# Altium PCB as_x31.PcbDoc (part 6 of 6)
Units mm, origin at the board's own origin, x right, y up, seen from the top; angles counter-clockwise.
Board outline 130 x 100 mm, 6 copper layers (Top Layer, Ground_1, int_1, int_2, Power, Bottom Layer), stack 1.49 mm thick; 421 components, 378 nets, 2561 pads, 1344 vias.
Unrouted connection lines stored in the file: 3.
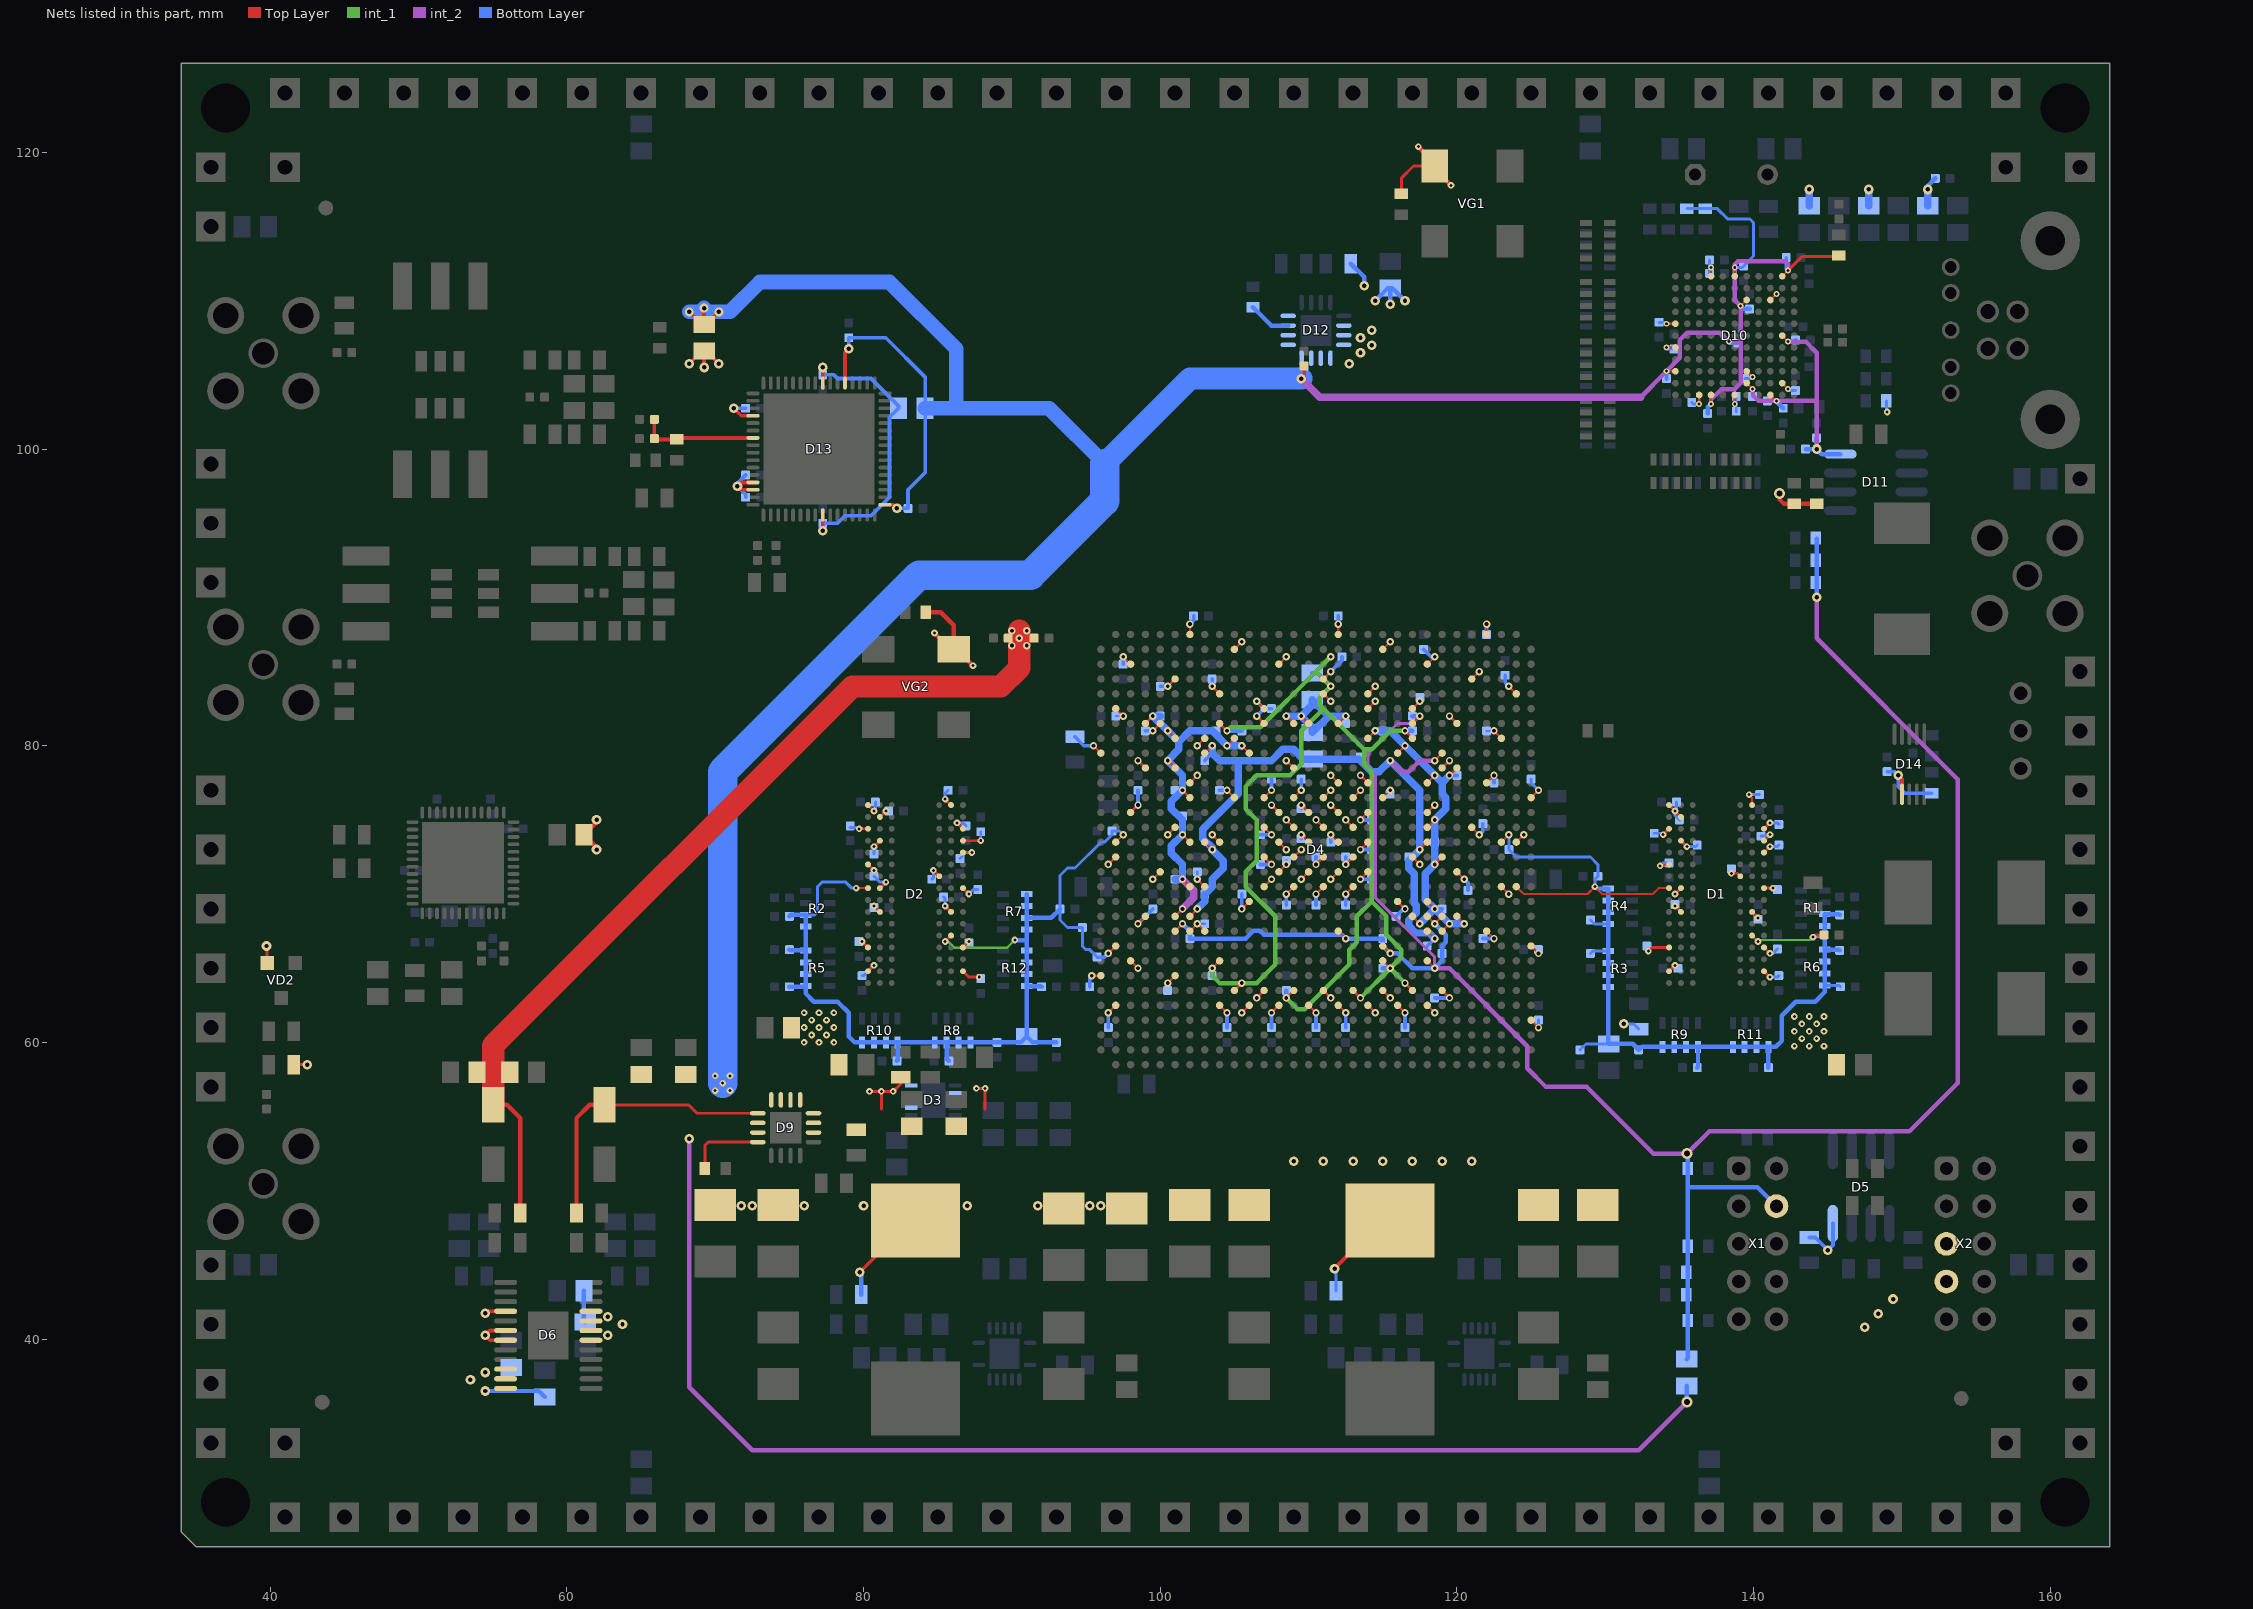
[diagram p10: the nets of this part, all layers, seen from the top]

## Via types
v1: diameter 0.5, hole 0.25, Top Layer to Bottom Layer, 538 vias
v2: diameter 0.45, hole 0.2, Top Layer to Bottom Layer, 348 vias
v3: diameter 0.65, hole 0.3, Top Layer to Bottom Layer, 223 vias
v4: diameter 0.5, hole 0.2, Top Layer to Bottom Layer, 100 vias
v5: diameter 0.4, hole 0.2, Top Layer to Bottom Layer, 83 vias
v6: diameter 0.75, hole 0.4, Top Layer to Bottom Layer, 45 vias
v7: diameter 0.6, hole 0.3, Top Layer to Bottom Layer, 7 vias

## Nets (pads, with @x,y where several pads share a name; then routed paths per layer and width w, separated by ;. In a path a pad name is that pad's centre, name@x,y a point inside that pad or via, vN(x,y) a via of type N, cw(c..) or ccw(c..) an arc to the next point about the centre after c; other vN are vias at no path point) (continued)
V1P1D: C63.2 C64.2 C65.2 C66.2 C67.2 C68.2 C69.2 C75.2 C76.2 C77.2 C78.2 C79.2 C80.2 C81.2 C87.2 C88.2 C89.2 C90.2 C91.2 C92.2 C93.2 C94.2 C153.1 C154.1 C155.1 C156.1 D4.AA5 D4.AC5 D4.AD6 D4.J5 D4.L5 D4.M6 D4.M13 D4.M15 D4.M17 D4.M19 D4.N5 D4.N14 D4.N16 D4.N18 D4.P13 D4.P15 D4.P17 D4.P19 D4.R5 D4.R14 D4.R16 D4.R18 D4.T6 D4.T13 D4.T15 D4.T17 D4.T19 D4.U5 D4.U14 D4.U16 D4.U18 D4.U20 D4.V13 D4.V15 D4.V17 D4.V19 D4.W5 D4.W14 D4.W16 D4.W18 D4.W20 D4.Y6 L7.2 R41.2 | length 52.1
  Top Layer w0.15: D4.J5@104,62.5 v1(104.5,62) ; v1(105.5,62) D4.L5@106,62.5 ; v1(106.5,63) D4.M6@107,63.5 ; D4.M13@107,70.5 v1(107.5,71) ; D4.M15@107,72.5 v1(107.5,72) ; D4.M17@107,74.5 v1(107.5,74) ; D4.M19@107,76.5 v1(107.5,77) ; v1(107.5,62) D4.N5@108,62.5 ; v1(107.5,76) D4.N18@108,75.5 ; D4.N14@108,71.5 v1(108.5,72) ; D4.N16@108,73.5 v1(108.5,73) ; v1(108.5,70) D4.P13@109,70.5 ; v1(108.5,75) D4.P17@109,74.5 ; D4.P15@109,72.5 v1(109.5,73) ; D4.P19@109,76.5 v1(109.5,77) ; v1(109.5,71) D4.R14@110,71.5 ; v1(109.5,74) D4.R16@110,73.5 ; v1(109.5,76) D4.R18@110,75.5 ; D4.R5@110,62.5 v1(110.5,62) ; v1(110.5,70) D4.T13@111,70.5 ; v1(110.5,72) D4.T15@111,72.5 ; v1(110.5,75) D4.T17@111,74.5 ; D4.T6@111,63.5 v1(111.5,63) ; D4.T19@111,76.5 v1(111.5,77) ; v1(111.5,71) D4.U14@112,71.5 ; v1(111.5,74) D4.U16@112,73.5 ; v1(111.5,76) D4.U18@112,75.5 ; v1(111.5,78) D4.U20@112,77.5 ; D4.U5@112,62.5 v1(112.5,62) ; v1(112.5,70) D4.V13@113,70.5 ; v1(112.5,72) D4.V15@113,72.5 ; v1(112.5,75) D4.V17@113,74.5 ; D4.V19@113,76.5 v1(113.5,77) ; v1(113.5,71) D4.W14@114,71.5 ; v1(113.5,73) D4.W16@114,73.5 ; v1(113.5,75) D4.W18@114,75.5 ; v1(113.5,78) D4.W20@114,77.5 ; D4.W5@114,62.5 v1(114.5,62) ; D4.Y6@115,63.5 v1(115.5,63) ; D4.AA5@116,62.5 v1(116.5,62) ; D4.AC5@118,62.5 v1(118.5,62) ; D4.AD6@119,63.5 v1(119.5,63)
  Top Layer w0.25: v3(111.75,44.75) 115,48 L7.2@115.5,48
  Bottom Layer w0.2: v3(111.75,44.75) 111.85,44.65 R41.2@111.85,43.25
  Bottom Layer w0.25: C63.2@104.5,61 v1(104.5,62) ; C78.2@106.75,72 v1(107.5,72) ; C89.2@106.75,74 v1(107.5,74) ; C75.2@107.5,61 v1(107.5,62) ; v1(107.5,77) C65.2@107.5,77.75 ; C66.2@108.5,69.25 v1(108.5,70) ; v1(108.5,72) C92.2@108.5,72.25 ; C91.2@109.5,73.75 v1(109.5,74) ; C79.2@109.5,75.75 v1(109.5,76) ; v1(109.5,77) C77.2@109.5,77.75 ; C64.2@110.5,61 v1(110.5,62) ; C67.2@110.5,69.25 v1(110.5,70) ; v1(110.5,72) C69.2@110.5,72.5 ; C81.2@111.5,73.5 v1(111.5,74) ; C94.2@112.5,61 v1(112.5,62) ; C68.2@112.5,69.25 v1(112.5,70) ; v1(112.5,72) C87.2@112.5,72.5 ; v1(113.5,71) C80.2@114.25,71 ; v1(113.5,73) C88.2@114.25,73 ; v1(113.5,75) C90.2@114.25,75 ; C76.2@116.5,61 v1(116.5,62) ; C93.2@118.5,63 v1(119.5,63)
  other v3: 109,52 111,52 113,52 115,52 117,52 119,52 121,52
V1P2D: C184.2 C192.2 C193.2 C194.2 C195.2 C196.2 C197.2 C198.2 C199.2 C200.2 C201.2 D10.B10 D10.C3 D10.E9 D10.F11 D10.H1 D10.J11 D10.L5 D10.L7 D12.10 D12.11 D12.12 D12.13 D12.14 L10.1 L11.1 L12.1 R82.2 | length 19.5
  Top Layer w0.125: D10.E9@139.529,105.246 v5(139.929,104.846) ; D10.C3@141.129,110.046 v5(141.529,110.446) ; D10.B10@141.929,104.446 v5(142.329,104.046)
  Top Layer w0.15: v5(134.129,106.846) D10.L7@134.729,106.846 ; v5(134.129,108.446) D10.L5@134.729,108.446 ; v5(136.329,103.046) D10.J11@136.329,103.646 ; D10.H1@137.129,111.646 v5(137.129,112.246) ; v5(138.729,103.046) D10.F11@138.729,103.646
  Bottom Layer w0.2: C192.2@133.629,108.546 134.029,108.546 v5(134.129,108.446) ; v5(134.129,106.846) 134.229,106.746 C200.2@134.629,106.746 ; C198.2@135.829,103.146 135.929,103.046 v5(136.329,103.046) ; C201.2@137.029,111.746 137.029,112.146 v5(137.129,112.246) 137.029,112.346 C193.2@137.029,112.746 ; C194.2@138.829,102.546 138.829,102.946 v5(138.729,103.046) 138.829,103.146 C199.2@138.829,103.546 ; C196.2@139.429,104.746 139.829,104.746 v5(139.929,104.846) ; v5(142.329,104.046) 142.429,103.946 C197.2@142.829,103.946
  Bottom Layer w0.3: R82.2@112.85,112.5 113.75,111.6 v3(113.75,111) ; v3(114.5,110) 115.35,110.85 C184.2@115.5,110.85 ; v3(115.5,109.75) C184.2@115.5,110.85 ; v3(116.5,110) 115.65,110.85 C184.2@115.5,110.85 ; v3(151.75,117.5) 151.75,117.75 C195.2@152.25,118.25
  Bottom Layer w0.5: L10.1@143.75,116.4 v3(143.75,117.5) ; L11.1@147.75,116.4 v3(147.75,117.5) ; L12.1@151.75,116.4 v3(151.75,117.5)
  other v3: 112.75,105.75 113.5,106.5 114.25,107 113.5,107.5 114.25,108
V1P5D: C23.2 C24.2 C25.2 C26.2 C27.2 C28.2 C29.2 C30.2 C31.2 C32.2 C33.2 C34.2 C35.2 C36.2 C37.2 C38.2 C42.2 C44.2 C45.2 C46.2 C47.2 C48.2 C49.2 C50.2 C51.2 C52.2 C53.2 C54.2 C55.2 C56.2 C57.2 C58.2 C59.2 C61.2 C62.2 C111.2 C112.2 C113.2 C114.2 C115.2 C116.2 C117.2 C124.2 C125.2 C126.2 C127.2 C128.2 C129.2 C130.2 C135.2 C136.2 C137.2 C138.2 C171.2 C172.2 C248.2 C249.2 C250.2 C251.2 C252.2 C253.2 D1.A1 D1.A8 D1.B2 D1.C1 D1.C9 D1.D2 D1.D9 D1.E9 D1.F1 D1.G7 D1.H2 D1.H9 D1.K2 D1.K8 D1.N1 D1.N9 D1.R1 D1.R9 D2.A1 D2.A8 D2.B2 D2.C1 D2.C9 D2.D2 D2.D9 D2.E9 D2.F1 D2.G7 D2.H2 D2.H9 D2.K2 D2.K8 D2.N1 D2.N9 D2.R1 D2.R9 D3.2 D3.7 D3.10 D4.A7 D4.A22 D4.AA12 D4.AB15 D4.AC18 D4.AD21 D4.AE14 D4.AF17 D4.AG10 D4.AG20 D4.AH13 D4.AH23 D4.AJ16 D4.AJ26 D4.AK4 D4.AK9 D4.AK19 D4.B5 D4.B15 D4.B25 D4.C8 D4.C18 D4.D11 D4.D21 D4.E14 D4.E24 D4.F7 D4.F17 D4.G10 D4.G20 D4.H10 D4.H13 D4.H23 D4.J16 D4.K19 D4.L12 D4.Y19 D9.10 D9.11 D9.12 D9.13 D9.14 R17.1 R18.1 R19.2 R51.2 | length 89.2
  Top Layer w0.15: v2(79.7,74.4) D2.C1@80.3,74.4 ; D2.E9@86.7,72.8 v2(87.3,72.8) ; D2.D9@86.7,73.6 v2(87.9,73.6) ; v1(95.375,64.5) D4.A7@96,64.5 ; v1(95.5,80) D4.A22@96,79.5 ; v1(96.5,62) D4.B5@97,62.5 ; v1(96.5,72) D4.B15@97,72.5 ; D4.B25@97,82.5 v1(97.5,82) ; D4.C8@98,65.5 v1(98.5,65) ; D4.C18@98,75.5 v1(98.5,76) ; v1(98.5,68) D4.D11@99,68.5 ; v1(98.5,79) D4.D21@99,78.5 ; v1(99.5,71) D4.E14@100,71.5 ; v1(99.5,81) D4.E24@100,81.5 ; v1(100.5,64) D4.F7@101,64.5 ; v1(100.5,74) D4.F17@101,74.5 ; D4.G10@102,67.5 v1(102.5,68) D4.H10@103,67.5 ; D4.G20@102,77.5 v1(102.5,78) ; v1(102.5,71) D4.H13@103,70.5 ; v1(102.5,80) D4.H23@103,80.5 ; v1(103.5,74) D4.J16@104,73.5 ; v1(104.5,77) D4.K19@105,76.5 ; v1(105.5,69) D4.L12@106,69.5 ; D4.Y19@115,76.5 v1(115.5,77) ; D4.AA12@116,69.5 v1(116.5,69) ; D4.AB15@117,72.5 v1(117.5,72) ; D4.AC18@118,75.5 v1(118.5,76) ; D4.AD21@119,78.5 v1(119.5,79) ; D4.AE14@120,71.5 v1(120.5,71) ; D4.AF17@121,74.5 v1(121.5,74) ; D4.AG10@122,67.5 v1(122.5,67) ; D4.AG20@122,77.5 v1(122.5,78) ; v1(122.5,81) D4.AH23@123,80.5 ; D4.AH13@123,70.5 v1(123.5,70) ; v1(123.5,84) D4.AJ26@124,83.5 ; D4.AJ16@124,73.5 v1(124.5,74) ; D4.AK4@125,61.5 v1(125.5,61) ; D4.AK9@125,66.5 v1(125.5,66) ; D4.AK19@125,76.5 v1(125.5,77) ; v2(133.7,71.9) 133.8,72 D1.F1@134.3,72 ; D1.A1@134.3,76 v2(134.7,75.6) ; v2(138.5,71.4) 138.9,71.4 D1.G7@139.1,71.2 ; v2(139.7,76.7) 139.9,76.5 D1.A8@139.9,76
  Top Layer w0.2: v2(79.9,66.8) D2.N1@80.3,66.4 ; D2.R1@80.3,64.8 v2(80.7,65.2) ; D2.F1@80.3,72 v2(80.7,71.6) ; D2.A1@80.3,76 v2(80.7,75.6) ; v2(80.4,56.7) v2(81.2,56.7) ; v2(80.7,69.2) D2.K2@81.1,68.8 ; v2(80.7,73.2) D2.D2@81.1,73.6 ; D2.H2@81.1,70.4 v2(81.5,70.8) ; D2.B2@81.1,75.2 v2(81.5,75.6) ; 81.2,55.5 v2(81.2,56.7) ; R19.2@82.5,57.65 82.5,57.2 v2(82,56.7) v2(81.2,56.7) ; v2(84.7,71.6) D2.G7@85.1,71.2 ; v2(85.5,69.2) D2.K8@85.9,68.8 ; v2(85.5,76.4) D2.A8@85.9,76 ; v2(86.3,74.8) D2.C9@86.7,74.4 ; D2.R9@86.7,64.8 87.1,64.4 v2(87.8,64.4) ; D2.N9@86.7,66.4 v2(87.1,66.8) ; D2.H9@86.7,70.4 v2(87.1,70) ; v2(87.6,56.9) v2(88.2,56.9) 88.2,55.5 ; v2(132.9,66.15) 133.15,66.4 D1.N1@134.3,66.4 ; v2(133.9,74) D1.C1@134.3,74.4 ; D1.R1@134.3,64.8 v2(134.7,65.2) ; v2(134.7,69.2) D1.K2@135.1,68.8 ; v2(134.7,70) D1.H2@135.1,70.4 ; v2(134.7,75.6) D1.B2@135.1,75.2 ; D1.D2@135.1,73.6 v2(135.5,73.2) ; D1.K8@139.9,68.8 v2(140.3,68.4) ; D1.R9@140.7,64.8 v2(141.1,64.4) ; D1.N9@140.7,66.4 v2(141.1,66) ; D1.H9@140.7,70.4 v2(141.3,70.4) ; D1.E9@140.7,72.8 v2(141.1,73.2) ; D1.D9@140.7,73.6 v2(141.1,74) ; D1.C9@140.7,74.4 v2(141.1,74.8)
  Bottom Layer w0.15: C136.2@97,82 v1(97.5,82) ; v1(102.5,68) C137.2@103,68 ; v1(102.5,71) C135.2@102.5,71.5 v1(102.5,71) ; C116.2@122,81 v1(122.5,81) C116.2@122,81
  Bottom Layer w0.2: C32.2@79.1,74.5 79.6,74.5 v2(79.7,74.4) ; C58.2@79.9,64.5 80,64.5 v2(80.7,65.2) ; C34.2@80.7,71.2 81.1,70.8 v2(81.5,70.8) ; C52.2@80.7,72.7 v2(80.7,73.2) ; v2(80.7,75.6) 80.8,75.7 C33.2@80.8,76.2 ; C37.2@84.6,71 84.7,71.1 v2(84.7,71.6) ; C36.2@85.4,69.8 85.5,69.7 v2(85.5,69.2) ; v2(85.5,76.4) 85.5,76.8 C249.2@85.7,77 ; v2(86.3,74.8) 86.7,74.8 C38.2@86.9,74.6 ; C53.2@86.5,72.4 86.9,72.8 v2(87.3,72.8) ; v2(87.1,70) 87.4,70.3 C35.2@87.7,70.3 ; v2(87.9,73.6) C54.2@87.9,74.2 ; C252.2@125,77.75 125,77.5 v1(125.5,77) ; v1(125.5,61) C114.2@125.5,61.5 ; v3(131.25,61.25) 131.9,61.25 R17.1@132.25,60.9 ; C29.2@133.3,74.1 133.8,74.1 v2(133.9,74) ; v2(133.7,71.9) 133.9,72.1 C23.2@134.3,72.1 ; C248.2@134.8,76.2 134.8,75.7 v2(134.7,75.6) 134.7,75.3 C47.2@135,75 ; v2(135.5,73.2) 136.1,73.2 C28.2@136.2,73.3 ; v2(139.7,76.7) C30.2@140.4,76.7 ; C26.2@140.5,73.9 141,73.9 v2(141.1,74) ; v2(141.1,64.4) 141.6,64.4 C51.2@141.7,64.5 ; v2(141.1,66) 141.3,66 C50.2@141.6,66.3 ; v2(141.1,73.2) 141.6,73.2 C25.2@141.7,73.3 ; v2(141.1,74.8) 141.6,74.8 C27.2@141.7,74.7
  Bottom Layer w0.25: R18.1@94.25,80.6 94.85,80 v1(95.5,80) ; C138.2@95.25,63.75 95.25,64.375 v1(95.375,64.5) ; C124.2@96.5,61 v1(96.5,62) ; v1(98.5,68) C127.2@99.5,69 ; v1(98.5,76) C125.2@98.5,77 ; C126.2@99,81 v1(99.5,81) ; C130.2@104,77 v1(104.5,77) ; v1(105.5,69) C129.2@105.5,70 ; C250.2@115.9,68.5 116.4,69 v1(116.5,69) ; v1(120.5,71) 120.75,70.75 C111.2@120.75,70.25 ; v1(121.5,74) 121.75,74.25 C112.2@121.75,74.75 ; C113.2@121.75,67 v1(122.5,67) ; C115.2@122.5,77.5 v1(122.5,78) ; C117.2@123.25,84.75 123.25,84.25 v1(123.5,84)
  other v2: 142.75,59.75 143.75,59.75 144.75,59.75 76,60 77,60 78,60 143.25,60.25 144.25,60.25 76.5,60.5 77.5,60.5 142.75,60.75 143.75,60.75 144.75,60.75 76,61 77,61 78,61 143.25,61.25 144.25,61.25 76.5,61.5 77.5,61.5 142.75,61.75 143.75,61.75 144.75,61.75 76,62 77,62 78,62
V1P8A: C230.2 C231.2 C232.2 D13.36 D13.45 D13.46 L13.1 | length 10.4
  Top Layer w0.25: v3(68.25,105.75) 69.1,106.6 L13.1@69.25,106.6 ; v3(69.25,105.5) L13.1@69.25,106.6 ; v3(70.25,105.75) 69.4,106.6 L13.1@69.25,106.6 ; v3(71.25,102.75) 71.75,102.25 D13.36@72.55,102.25 ; D13.46@72.55,97.25 71.75,97.25 v3(71.5,97.5) 71.75,97.75 D13.45@72.55,97.75
  Bottom Layer w0.25: v3(71.25,102.75) C230.2@72.05,102.75 ; C232.2@72.05,96.75 72.05,96.95 v3(71.5,97.5) 71.5,97.7 C231.2@72.05,98.25
V1P8D: C147.2 C148.2 C202.2 C203.2 C204.2 C205.2 C206.2 C207.2 C208.2 C234.2 C235.2 D9.1 D9.2 D9.3 D9.4 D9.15 D9.16 D10.B1 D10.E3 D10.F1 D10.H11 D10.L9 D12.1 D12.2 D12.3 D12.4 D12.15 D12.16 D13.1 D13.21 L5.2 L6.2 L13.2 L14.2 R40.2 R56.2 R77.2 R78.2 R81.2 R84.2 | length 318.6
  Top Layer w0.125: v5(139.129,109.646) D10.E3@139.529,110.046 ; D10.B1@141.929,111.646 v5(142.329,112.046)
  Top Layer w0.15: v5(134.129,105.246) D10.L9@134.729,105.246 ; v5(137.129,103.046) D10.H11@137.129,103.646 ; D10.F1@138.729,111.646 v5(138.729,112.246)
  Top Layer w0.2: L6.2@62.529,55.788 68.212,55.788 68.775,55.225 D9.1@72.875,55.225 ; R56.2@69.3,51.5 69.3,53.05 69.525,53.275 D9.4@72.875,53.275 ; v5(142.329,112.046) 143.25,112.967 145.667,112.967 R81.2@145.75,113.05
  Top Layer w0.25: v7(68.25,109.25) 69.1,108.4 L13.2@69.25,108.4 ; v7(69.25,109.5) 69.25,109.25 L13.2@69.25,108.4 ; v7(70.25,109.25) 69.4,108.4 L13.2@69.25,108.4 ; D13.21@78.75,104.45 78.75,106.5 v3(79,106.75) ; D13.1@81.45,96.25 82,96.25 v3(82.25,96) ; v3(109.5,104.75) 109.7,104.95 C202.2@109.7,105.6
  Top Layer w0.3: R40.2@60.65,48.5 60.65,54.9 61.538,55.788 L6.2@62.529,55.788
  int_2 w0.3: v3(68.25,53.5) 68.25,36.75 72.5,32.5 132.25,32.5 v6(135.5,35.75) ; 132.383,103.5 v5(134.129,105.246) 135.029,106.146 135.029,107.346 135.529,107.846 137.729,107.846 v5(138.329,107.246) 139.129,107.246 ; v5(137.129,103.046) 137.129,103.346 137.829,104.046 138.729,104.046 139.129,104.446 139.129,107.246 ; v5(142.329,112.046) 142.329,112.446 142.129,112.646 138.929,112.646 138.729,112.446 v5(138.729,112.246) 138.729,110.046 v5(139.129,109.646) 139.129,107.246
  int_2 w0.5: v3(109.5,104.75) 110.75,103.5 132.383,103.5
  Bottom Layer w0.2: R78.2@135.5,116.2 R77.2@136.75,116.2 137.55,116.2 138.25,115.5 139.75,115.5 140,115.25 140,113.017 139.229,112.246 v5(138.729,112.246)
  Bottom Layer w0.25: v3(79,106.75) C235.2@79,107.5 81.5,107.5 84.15,104.85 L14.2@84.15,102.75 84.15,98.4 83,97.25 C234.2@83,96 v3(82.25,96) ; v5(138.329,107.246) 138.429,107.146 C203.2@138.929,107.146 ; C208.2@142.2,112.9 142.2,112.175 v5(142.329,112.046)
  Bottom Layer w0.3: R84.2@106.25,109.55 107.475,108.325 D12.3@108.625,108.325 ; C204.2@134.129,104.746 v5(134.129,105.246) ; v6(135.5,35.75) L5.2@135.5,36.85 ; C207.2@136.9,102.4 136.9,102.817 v5(137.129,103.046) ; v5(139.129,109.646) 139.329,109.446 C206.2@139.729,109.446
  Bottom Layer w1: v7(68.25,109.25) 69,109.25 v7(69.25,109.5) 69.5,109.25 v7(70.25,109.25) 71,109.25 73,111.25 81.75,111.25 86.25,106.75 86.25,102.75 ; L14.2@84.15,102.75 86.25,102.75 ; 96.25,99 92.5,102.75 86.25,102.75
  Bottom Layer w1.5: 96.25,99 102,104.75 v3(109.5,104.75)
  Bottom Layer w2: v2(70.5,57.25) 70.5,78.25 83.75,91.5 91.25,91.5 96.25,96.5 96.25,99
  other v2: 70,56.75 71,56.75 70,57.75 71,57.75
V1P8DVDD: C228.2 C229.2 D13.24 D13.57 L14.1 | length 20.7
  Top Layer w0.25: v3(77.25,94.5) D13.57@77.25,95.55 ; D13.24@77.25,104.45 v3(77.25,105.5)
  Bottom Layer w0.25: v3(77.25,94.5) C229.2@77.25,95 78.25,95 78.75,95.5 80.5,95.5 81.75,96.75 81.75,102.15 L14.1@82.35,102.75 82.35,102.9 80.5,104.75 78.25,104.75 78,105 C228.2@77.25,105 v3(77.25,105.5)
V2P5D: C97.2 C98.2 C99.2 C100.2 C101.2 C102.2 C103.2 C104.2 C105.2 C106.2 C107.2 C108.2 C122.2 C123.2 C131.2 C132.2 C133.2 C134.2 C139.2 C140.2 C141.2 C142.2 C162.2 C163.2 D4.AA22 D4.AB11 D4.AB25 D4.AC12 D4.AC17 D4.AC20 D4.AC28 D4.AD10 D4.AD15 D4.AE11 D4.AE21 D4.AE24 D4.AF27 D4.AG30 D4.C28 D4.D24 D4.F11 D4.F21 D4.F23 D4.F27 D4.G13 D4.G16 D4.G19 D4.G30 D4.J26 D4.K23 D4.K29 D4.L22 D4.M24 D4.M25 D4.N28 D4.P21 D4.P24 D4.R24 D4.T26 D4.T27 D4.U24 D4.U30 D4.W23 D4.W25 D4.W26 D4.Y29 L3.2 L4.2 L8.2 R47.2 | length 149.7
  Top Layer w0.125: D4.G30@102,87.5 v1(102,88.2)
  Top Layer w0.15: v1(97.5,86) D4.C28@98,85.5 ; D4.D24@99,81.5 v1(99.5,82) ; v1(100.5,79) D4.F21@101,78.5 ; v1(100.5,81) D4.F23@101,80.5 ; v1(100.5,84) D4.F27@101,84.5 ; D4.F11@101,68.5 v1(101.5,69) ; v1(101.5,71) D4.G13@102,70.5 ; v1(101.5,74) D4.G16@102,73.5 ; v1(101.5,77) D4.G19@102,76.5 ; v1(103.5,84) D4.J26@104,83.5 ; v1(104.5,80) D4.K23@105,80.5 ; D4.K29@105,86.5 v1(105.5,87) ; v1(105.5,80) D4.L22@106,79.5 ; v1(106.5,82) D4.M24@107,81.5 ; v1(106.5,83) D4.M25@107,82.5 ; D4.N28@108,85.5 v1(108.5,86) ; v1(108.5,79) D4.P21@109,78.5 ; v1(108.5,82) D4.P24@109,81.5 ; v1(109.5,82) D4.R24@110,81.5 ; D4.T26@111,83.5 v1(111.5,83) ; D4.T27@111,84.5 v1(111.5,85) ; D4.U24@112,81.5 v1(112.5,82) ; D4.U30@112,87.5 v1(112,88.2) ; D4.W23@114,80.5 v1(114.5,81) ; D4.W25@114,82.5 v1(114.5,83) ; D4.W26@114,83.5 v1(114.5,84) ; D4.Y29@115,86.5 v1(115.5,87) ; D4.AA22@116,79.5 v1(116.5,80) ; D4.AB11@117,68.5 v1(117.5,68) ; D4.AB25@117,82.5 v1(117.5,83) ; D4.AC12@118,69.5 v1(118.5,69) ; D4.AC17@118,74.5 v1(118.5,75) ; D4.AC20@118,77.5 v1(118.5,78) ; D4.AC28@118,85.5 v1(118.5,86) ; v1(118.5,72) D4.AD15@119,72.5 ; D4.AD10@119,67.5 v1(119.5,68) ; v1(119.5,78) D4.AE21@120,78.5 ; v1(119.5,82) D4.AE24@120,81.5 ; D4.AE11@120,68.5 v1(120.5,68) ; D4.AF27@121,84.5 v1(121.5,85) ; D4.AG30@122,87.5 v1@122,88.2
  Top Layer w0.3: L8.2@54.971,55.788 55.962,55.788 56.85,54.9 R47.2@56.85,48.5
  Top Layer w1.5: L8.2@55.029,55.788 55.029,59.779 79.25,84 89.25,84 90.5,85.25 v1(90.5,87.25) 90.5,87.75
  int_2 w0.5: v1(101.5,69) 102.25,69.75 102.25,70.25 v1(101.5,71)
  Bottom Layer w0.25: C142.2@97.5,85.5 v1(97.5,86) ; C141.2@100,84 v1(100.5,84) ; v1(102,88.2) 102.25,88.45 C100.2@102.25,88.75 ; v1(103.5,84) C140.2@103.5,84.5 ; v1(106.5,82) 107,82.5 ; v1(106.5,83) 107,82.5 ; C99.2@107.5,82.5 107,82.5 ; v1(111.5,85) 112.25,85.75 C134.2@112.25,86 ; v1(112,88.2) C101.2@112,88.75 ; C97.2@117.75,86.5 118.25,86 v1(118.5,86) ; v1(118.5,69) C108.2@119,69 ; v1(119.5,78) C106.2@120,78 ; C104.2@122,87.5 v1(122,88.2)
  Bottom Layer w0.5: C139.2@100,82 v1(99.5,82) v1(100.5,81) 101.25,80.25 ; C103.2@101,71 v1(101.5,71) 101.5,72 100.75,72.75 100.75,73.25 v1(101.5,74) 101.5,75 100.75,75.75 100.75,76.25 v1(101.5,77) 101.5,78 v1(100.5,79) 101.25,79.75 101.25,80.25 ; v1(105.5,80) v1(104.5,80) 103.5,81 102,81 101.25,80.25 ; v1(108.5,82) v1(109.5,82) ; v1(112.5,82) 111.35,82 ; v1(114.5,81) 115.5,81 v1(116.5,80) v1(118.5,78) 119,77.5 ; v1(117.5,68) v1(118.5,69) ; 118.5,72.75 v1(118.5,72) 117.875,71.375 117.875,69.625 v1(118.5,69) ; 118.5,72.75 v1(118.5,75) 119.25,75.75 119.25,76.5 119,76.75 119,77.5 ; v1(119.5,78) 119,77.5 ; v1(120.5,68) v1(119.5,68) v1(118.5,69) ; v1(109.5,82) 110.25,82.75 L3.2@110.25,83.1 111.35,82 ; v1(109.5,82) 110.25,81.25 L4.2@110.25,80.9 111.35,82
  other v1: 90,86.75 91,86.75 90,87.75 91,87.75
V3P3D: C145.2 C146.2 C159.2 C160.2 C173.1 C174.1 C175.1 C176.1 C209.2 C210.2 C211.2 C212.2 C213.2 C214.2 C223.2 D5.8 D6.4 D6.6 D6.7 D6.10 D6.11 D6.12 D6.18 D6.19 D6.20 D6.21 D10.B6 D10.C11 D10.E10 D11.8 D14.2 L9.2 L15.2 R34.2 R50.2 R62.1 R75.2 R76.2 R91.2 R102.1 R103.2 R108.1 VD2.2 VG1.4 VG2.4 X2.5 X2.7 | length 69.9
  Top Layer w0.125: D10.E10@139.529,104.446 v5(139.929,104.046) ; D10.C11@141.129,103.646 v5(141.529,103.246) ; D10.B6@141.929,107.646 v5(142.329,107.246)
  Top Layer w0.2: v3(39.75,66.5) 39.8,66.45 VD2.2@39.8,65.35 ; R103.2@41.6,58.5 v3@42.5,58.5 ; R108.1@116.25,117.2 116.25,118.25 117.08,119.08 VG1.4@118.5,119.08
  Top Layer w0.25: v3(54.5,41.75) 54.625,41.875 D6.4@55.875,41.875 ; D6.7@55.875,39.925 54.825,39.925 v3(54.5,40.25) 54.825,40.575 D6.6@55.875,40.575 ; v3(79.75,44.5) 83.25,48 L9.2@83.5,48 ; v3(149.75,78) 150,77.75 D14.2@150,76.725
  Top Layer w0.3: v3(62,73) 62,73.15 L15.2@61.15,74 62,74.85 v3(62,75) ; R102.1@84.2,89 85.2,89 86.08,88.12 VG2.4@86.08,86.5 ; v2(84.78,87.6) 85.88,86.5 VG2.4@86.08,86.5 ; v2(87.38,85.4) 86.28,86.5 VG2.4@86.08,86.5 ; v2(117.4,120.38) 118.5,119.28 VG1.4@118.5,119.08 118.5,118.88 v2(119.6,117.78) ; v6(141.75,97) 141.75,96.6 142.05,96.3 R76.2@142.75,96.3 R75.2@144.25,96.3
  int_2 w0.3: v5(139.929,104.046) 139.929,103.646 140.329,103.246 v5(141.529,103.246) 144.246,103.246 144.25,103.25 ; v5(142.329,107.246) 143.504,107.246 144.25,106.5 144.25,103.25 ; v3(144.25,100) 144.25,103.25
  Bottom Layer w0.2: R62.1@148.95,103.25 148.95,102.55 v2(149,102.5)
  Bottom Layer w0.25: R34.2@143.75,46.85 144.15,46.85 v3(145,46) 145.345,46.345 D5.8@145.345,47.8 ; C223.2@149,78.25 149.5,78.25 v3(149.75,78) 149.75,77.25 150.2,76.8 R91.2@152,76.8
  Bottom Layer w0.3: v3(54.5,36.5) 58.1,36.5 C145.2@58.5,36.1 ; C146.2@61.15,43.25 61.15,41.25 C159.2@61.25,41.15 ; v3(79.75,44.5) 79.85,44.4 R50.2@79.85,43 ; C211.2@140.929,103.246 v5(141.529,103.246) 141.529,103.221 C210.2@142,102.75 ; v5(142.329,107.246) 142.729,107.246 C213.2@142.829,107.346 ; C209.2@143.5,100 v3(144.25,100) ; C212.2@144.25,100.75 v3(144.25,100) ; D11.8@145.85,99.655 144.595,99.655 v3(144.25,100)